# Allegro board meta_module_lay_rev1.brd (continued)
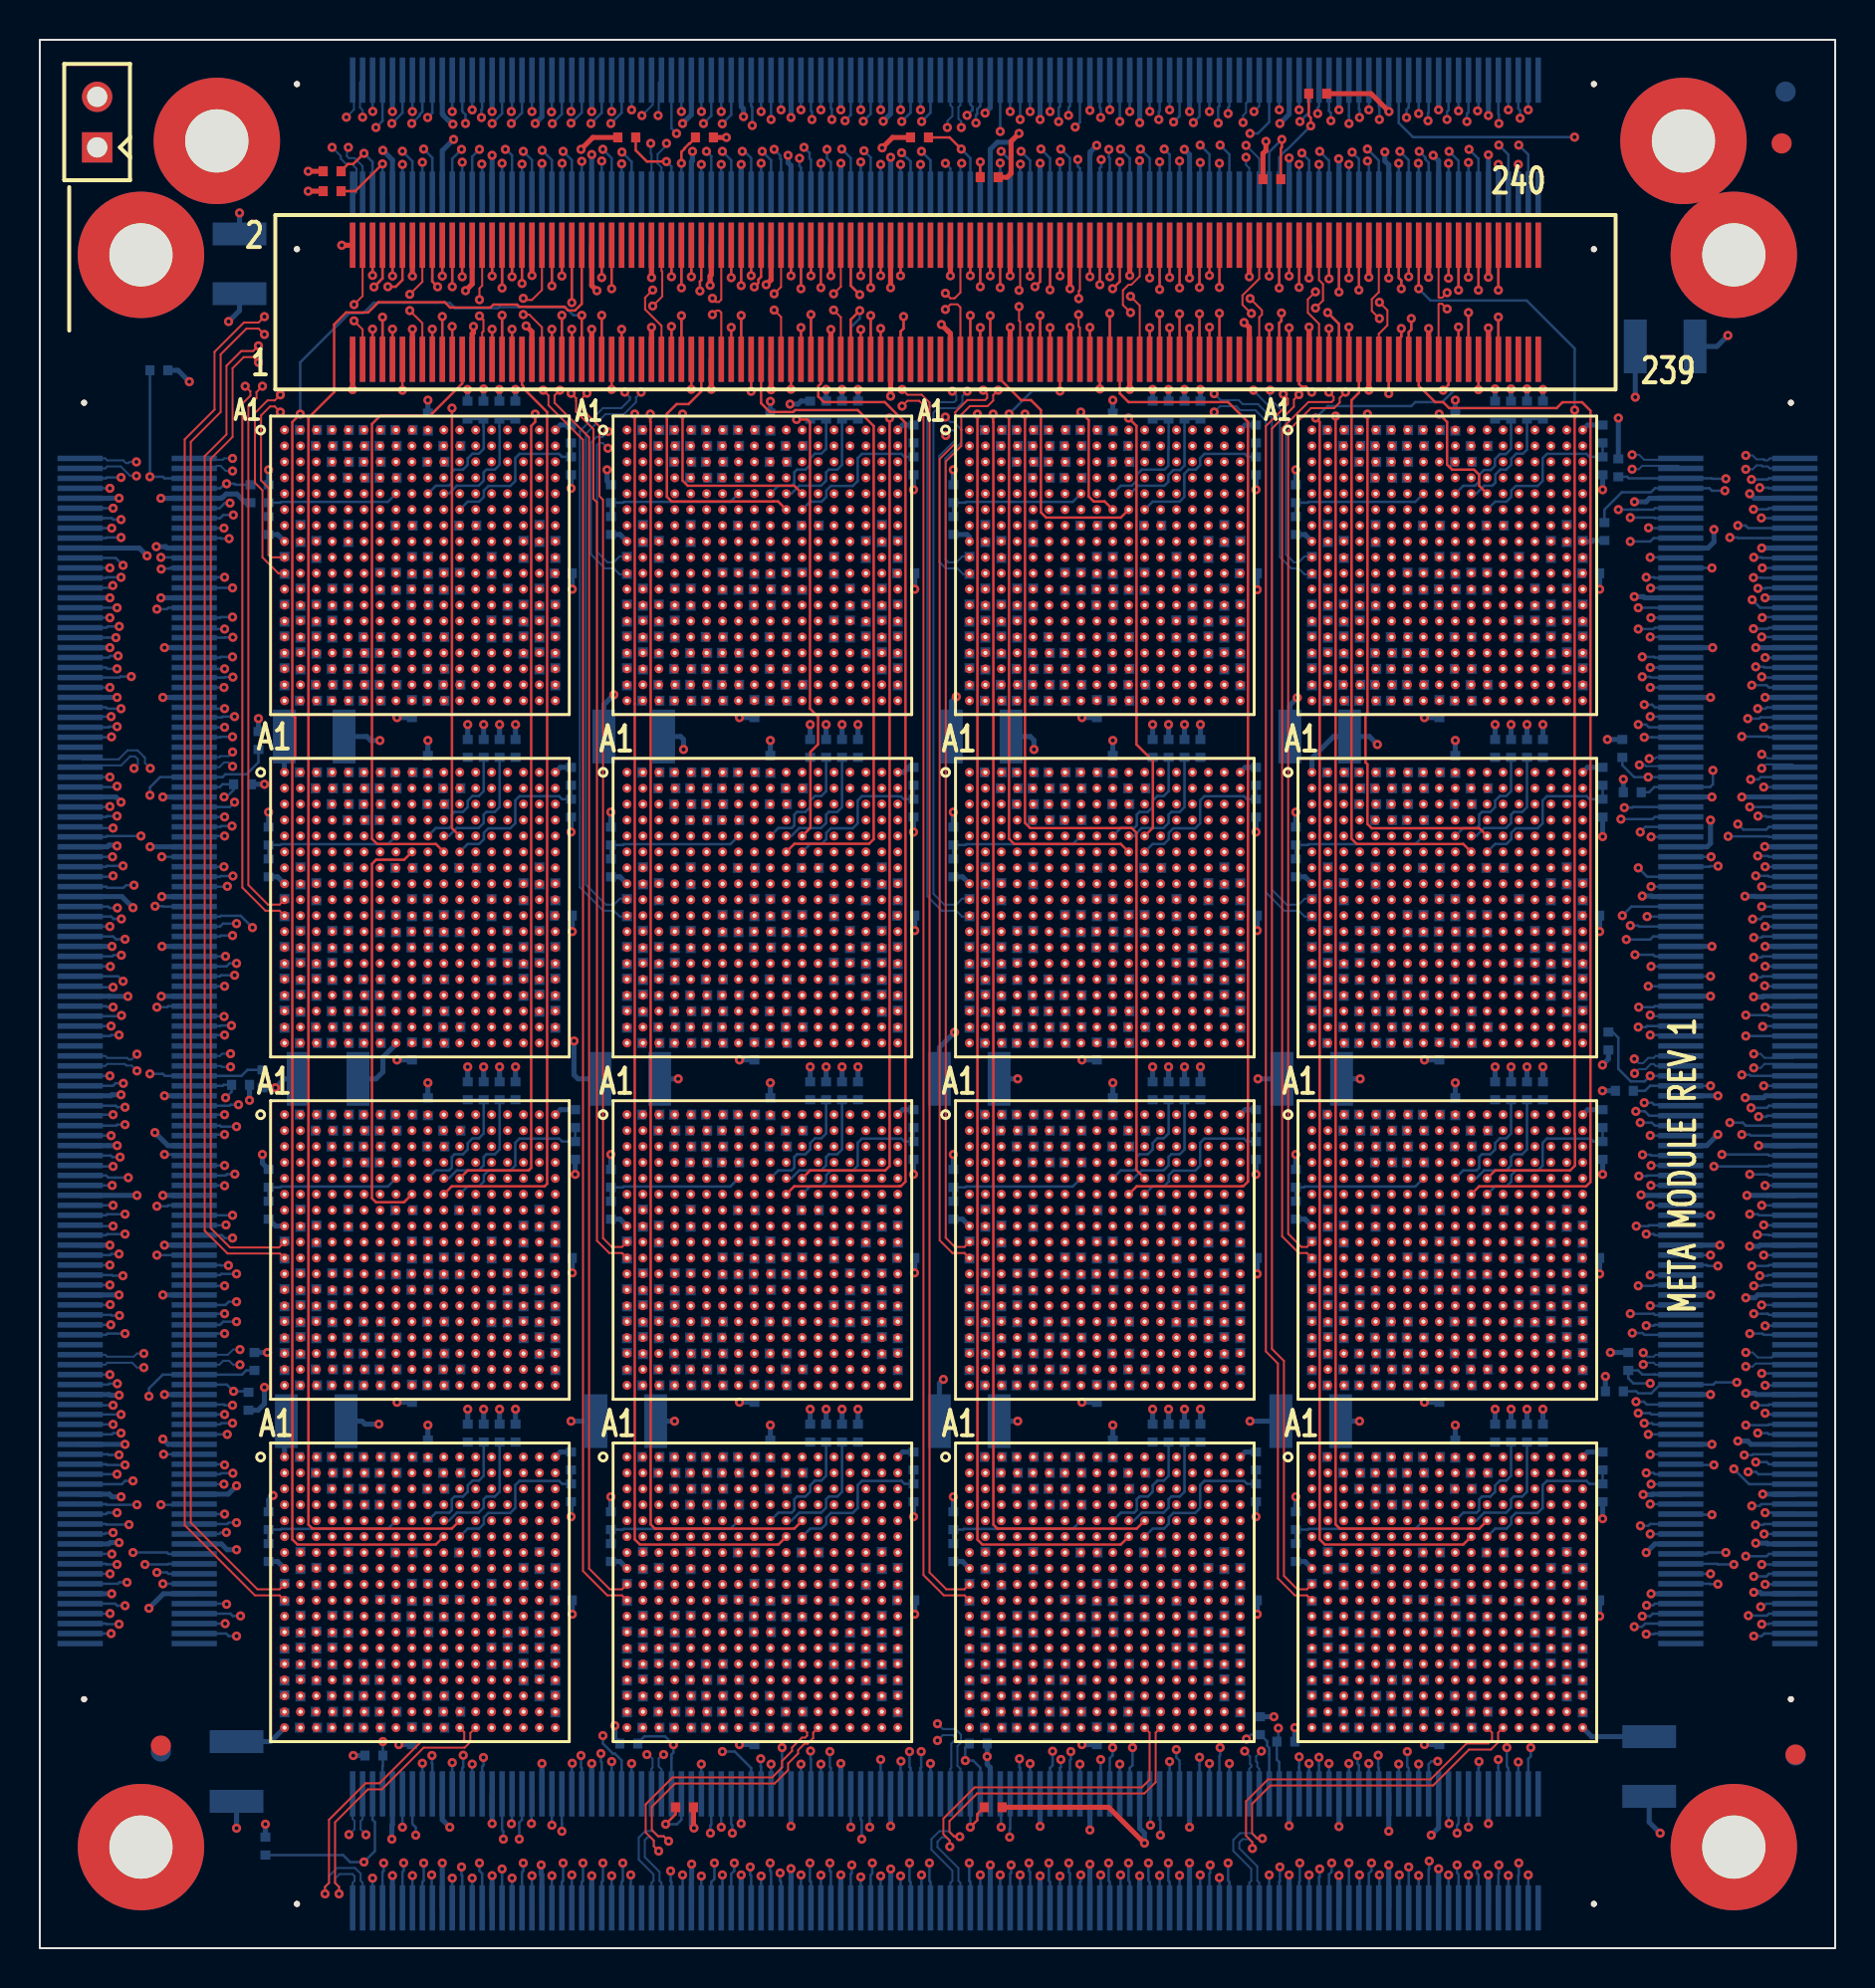
[diagram p0: board, top side]
## Routing (per net, layer and track width the routed paths; a pad name or vN(x,y) marks a point on that pad's centre or on a via; arc(x,y) is an arc through that point) (continued)
SO_DATA_OUT_N20: length 13.7
  SIGNAL_L9 w0.083: U16.R14 56.69,13.88 56.08,13.88 55.88,13.68 55.88,9.88 55.08,9.08 55.08,4.88 v1(55.68,4.28)
  BOTTOM w0.127: v1(55.68,4.28) 55.68,3.39 55.74,3.33 J5.162
SO_DATA_OUT_N21: length 12.6
  SIGNAL_L5 w0.083: U16.T15 58.28,12.29 58.28,11.75 58.53,11.5 58.86,11.5 59.08,11.28 59.08,10.41 58.91,10.24 58.91,9.85 59.18,9.58 59.18,8.78 56.68,6.28 v1(56.68,4.28)
  BOTTOM w0.127: J5.166 56.74,3.33 56.68,3.39 v1(56.68,4.28)
SO_DATA_OUT_N22: length 12
  SIGNAL_L9 w0.083: U16.U16 58.29,12.28 57.68,12.28 57.48,12.08 57.48,8.68 57.28,8.48 57.28,5.68 58.28,4.68 v1(58.28,3.68)
  BOTTOM w0.127: v1(58.28,3.68) 58.28,2.06 J5.172
SO_DATA_OUT_N23: length 9.4
  SIGNAL_L9 w0.083: U16.V17 58.89,10.48 58.89,9.87 59.24,9.52 v1(59.24,3.54)
  BOTTOM w0.127: v1(59.24,3.54) J5.176
SO_DATA_OUT_N24: length 15.6
  SIGNAL_L12 w0.083: v1(65.75,4.28) 66.48,5.01 66.48,5.28 69.68,8.48 70.08,8.48 71.48,9.88 71.48,13.59 71.74,13.85 72.32,13.85 U14.R12
  BOTTOM w0.127: v1(65.75,4.28) J5.202
SO_DATA_OUT_N25: length 13.4
  SIGNAL_L5 w0.083: v1(66.88,4.28) 68.88,6.28 68.88,6.68 73.08,10.88 73.08,12.27 U14.T13
  BOTTOM w0.127: v1(66.88,4.28) 66.88,3.89 66.75,3.76 J5.206
SO_DATA_OUT_N26: length 13.5
  SIGNAL_L12 w0.083: U14.U14 73.89,12.28 73.28,12.28 73.08,12.08 73.08,10.81 71.91,9.63 71.91,8.91 68.28,5.28 v1(68.28,3.68)
  BOTTOM w0.127: v1(68.28,3.68) 68.28,2.06 J5.212
SO_DATA_OUT_N27: length 11.9
  SIGNAL_L5 w0.083: v1(69.25,3.65) 69.25,5.65 72.08,8.48 72.81,8.48 73.88,9.55 73.88,9.68 74.67,10.47 74.67,10.66 U14.V15
  BOTTOM w0.127: v1(69.25,3.65) 69.25,2.03
SO_DATA_OUT_N28: length 14.5
  SIGNAL_L9 w0.083: U14.R14 73.89,13.88 73.27,13.88 73.07,13.68 73.07,10.77 70.28,7.98 70.28,5.28 70.75,4.81 v1(70.75,3.68)
  BOTTOM w0.127: v1(70.75,3.68) J5.222
SO_DATA_OUT_N29: length 13.2
  SIGNAL_L5 w0.083: U14.T15 75.48,12.29 75.48,11.75 75.73,11.5 76.06,11.5 76.28,11.28 76.28,8.88 71.75,4.35 v1(71.75,3.68)
  BOTTOM w0.127: v1(71.75,3.68) J5.226
SO_DATA_OUT_N30: length 12.1
  SIGNAL_L9 w0.083: U14.U16 75.49,12.28 74.88,12.28 74.68,12.08 74.68,10.48 73.68,9.48 73.68,4.58 v1(73.28,4.18)
  BOTTOM w0.127: J5.232 73.25,3.71 73.28,3.74 v1(73.28,4.18)
SO_DATA_OUT_N31: length 10.1
  SIGNAL_L9 w0.083: U14.V17 76.69,6.69 v1(74.28,4.28)
  BOTTOM w0.127: J5.236 74.26,3.66 74.28,3.69 v1(74.28,4.28)
SO_DATA_OUT_P0: length 12.3
  SIGNAL_L12 w0.083: v1(21.18,4.08) 21.18,4.45 20.13,5.5 20.13,6.53 20.28,6.68 20.28,10.28 20.68,10.68 20.68,13.09 U12.R11
  BOTTOM w0.127: v1(21.18,4.08) 21.18,3.69 21.22,3.65 J5.24
SO_DATA_OUT_P1: length 12.8
  SIGNAL_L5 w0.083: U12.T12 21.49,13.08 22.08,13.08 22.28,12.88 22.28,10.23 22.68,9.83 22.68,8.68 22.08,8.08 v1(22.08,4.28)
  BOTTOM w0.127: J5.28 22.22,3.75 22.08,3.89 v1(22.08,4.28)
SO_DATA_OUT_P2: length 10.6
  SIGNAL_L12 w0.083: v1(23.72,3.52) 23.72,4.64 23.68,4.68 23.68,5.68 23.31,6.05 23.31,9.85 22.26,10.9 22.26,11.51 U12.U13
  BOTTOM w0.127: v1(23.72,3.52) J5.34
SO_DATA_OUT_P3: length 11.3
  SIGNAL_L5 w0.083: v1(24.72,3.64) 24.72,4.52 25.08,4.88 25.08,8.08 23.88,9.28 23.88,11.28 23.68,11.48 23.09,11.48 U12.V14
  BOTTOM w0.127: v1(24.72,3.64) J5.38
SO_DATA_OUT_P4: length 13.3
  SIGNAL_L9 w0.083: U12.R13 22.28,13.09 22.28,10.68 25.28,7.68 25.28,5.28 v1(26.28,4.28)
  BOTTOM w0.127: v1(26.28,4.28) 26.28,3.39 26.22,3.33 J5.44
SO_DATA_OUT_P5: length 14.4
  SIGNAL_L5 w0.083: U12.T14 23.09,13.08 24.43,13.08 24.71,12.8 24.71,11.72 24.93,11.5 25.26,11.5 25.51,11.25 25.51,9.85 27.28,8.08 v1(27.28,4.28)
  BOTTOM w0.127: J5.48 27.22,3.33 27.28,3.39 v1(27.28,4.28)
SO_DATA_OUT_P6: length 12
  SIGNAL_L9 w0.083: U12.U15 23.88,11.49 23.88,10.03 28.72,5.19 v1(28.72,3.64)
  BOTTOM w0.127: v1(28.72,3.64) J5.54
SO_DATA_OUT_P7: length 12.4
  SIGNAL_L9 w0.083: U12.V16 24.68,11.47 25.29,11.47 25.48,11.28 25.48,9.93 29.68,5.73 v1(29.68,3.68)
  BOTTOM w0.127: J5.58 29.68,2.07 v1(29.68,3.68)
SO_DATA_OUT_P8: length 12.3
  SIGNAL_L12 w0.083: U10.R11 37.86,13.11 37.86,10.93 37.78,10.85 37.78,8.98 36.23,7.43 v1(36.23,3.63)
  BOTTOM w0.127: v1(36.23,3.63) J5.84
SO_DATA_OUT_P9: length 13.5
  SIGNAL_L5 w0.083: v1(37.18,3.78) 37.18,8.38 37.28,8.48 37.28,9.03 38.73,10.48 39.08,10.48 39.48,10.88 39.48,12.88 39.28,13.08 38.69,13.08 U10.T12
  BOTTOM w0.127: v1(37.18,3.78) 37.18,3.39 37.23,3.34 J5.88
SO_DATA_OUT_P10: length 10.9
  SIGNAL_L12 w0.083: U10.U13 39.46,11.51 39.46,10.9 40.08,10.28 40.08,9.66 39.68,9.26 39.68,8.48 38.68,7.48 v1(38.68,4.28)
  BOTTOM w0.127: v1(38.68,4.28) 38.68,3.37 38.73,3.33 J5.94
SO_DATA_OUT_P11: length 11.3
  SIGNAL_L5 w0.083: U10.V14 40.29,11.48 40.88,11.48 41.08,11.28 41.08,8.88 39.68,7.48 v1(39.68,4.28)
  BOTTOM w0.127: J5.98 39.73,3.84 39.68,3.89 v1(39.68,4.28)
SO_DATA_OUT_P12: length 12.6
  SIGNAL_L9 w0.083: v1(41.23,3.58) 41.23,4.53 40.84,4.92 40.84,5.69 40.86,5.71 40.88,5.71 41.1,5.93 41.1,6.23 41.08,6.25 41.08,9.35 39.48,10.95 39.48,13.09 U10.R13
  BOTTOM w0.127: J5.104 v1(41.23,3.58)
SO_DATA_OUT_P13: length 13.8
  SIGNAL_L5 w0.083: U10.T14 40.29,13.08 41.63,13.08 41.91,12.8 41.91,11.72 42.13,11.5 42.46,11.5 42.68,11.28 42.68,6.88 42.36,6.56 42.36,4.96 42.23,4.83 v1(42.23,3.63)
  BOTTOM w0.127: v1(42.23,3.63) 42.23,2.03
SO_DATA_OUT_P14: length 11.1
  SIGNAL_L9 w0.083: v1(43.68,4.28) 43.68,7.38 41.08,9.98 41.08,11.49 U10.U15
  BOTTOM w0.127: J5.114 43.73,3.33 43.68,3.38 v1(43.68,4.28)
SO_DATA_OUT_P15: length 12.9
  SIGNAL_L9 w0.083: U10.V16 41.88,11.47 43.39,11.47 45.68,9.18 45.68,6.18 44.68,5.18 v1(44.68,4.28)
  BOTTOM w0.127: v1(44.68,4.28) 44.68,3.38 44.73,3.33 J5.118
SO_DATA_OUT_P16: length 13.2
  SIGNAL_L12 w0.083: U16.R11 55.08,13.09 55.08,10.88 54.28,10.08 54.28,9.88 51.24,6.84 v1(51.24,3.62)
  BOTTOM w0.127: v1(51.24,3.62) J5.144
SO_DATA_OUT_P17: length 14.2
  SIGNAL_L5 w0.083: U16.T12 55.89,13.08 56.57,13.08 56.68,12.97 56.68,10.48 52.28,6.08 v1(52.28,3.68)
  BOTTOM w0.127: v1(52.28,3.68) 52.28,3.37 52.24,3.33 J5.148
SO_DATA_OUT_P18: length 11.3
  SIGNAL_L12 w0.083: v1(53.68,4.28) 53.68,7.08 56.66,10.06 56.66,11.51 U16.U13
  BOTTOM w0.127: v1(53.68,4.28) 53.68,3.38 53.74,3.33 J5.154
SO_DATA_OUT_P19: length 12.2
  SIGNAL_L5 w0.083: v1(54.68,4.28) 54.68,6.08 57.88,9.28 57.88,9.43 57.87,9.44 57.87,9.75 57.88,9.75 57.88,10.23 58.28,10.63 58.28,11.28 58.08,11.48 57.49,11.48 U16.V14
  BOTTOM w0.127: v1(54.68,4.28) 54.68,3.39 54.74,3.33 J5.158
SO_DATA_OUT_P20: length 12.3
  SIGNAL_L9 w0.083: U16.R13 56.68,13.09 56.68,10.68 56.29,10.29 56.29,7.87 56.88,7.28 56.88,5.48 56.24,4.84 v1(56.24,3.65)
  BOTTOM w0.127: v1(56.24,3.65) J5.164
SO_DATA_OUT_P21: length 14.9
  SIGNAL_L5 w0.083: v1(57.24,3.65) 57.24,6.11 60.12,8.98 60.12,9.65 59.87,9.89 59.87,11.29 59.66,11.5 59.33,11.5 59.11,11.72 59.11,12.8 58.83,13.08 57.49,13.08 U16.T14
  BOTTOM w0.127: v1(57.24,3.65) J5.168
SO_DATA_OUT_P22: length 10.6
  SIGNAL_L9 w0.083: v1(58.78,4.18) 58.78,6.38 57.88,7.28 57.88,9.43 57.87,9.44 57.87,9.75 57.88,9.75 57.88,10.55 58.27,10.94 58.27,11.5 U16.U15
  BOTTOM w0.127: v1(58.78,4.18) 58.78,3.79 58.74,3.75 J5.174
SO_DATA_OUT_P23: length 11.1
  SIGNAL_L9 w0.083: v1(59.68,4.28) 60.28,4.88 60.28,9.48 59.87,9.89 59.87,11.29 59.69,11.47 59.08,11.47 U16.V16
  BOTTOM w0.127: J5.178 59.74,3.33 59.68,3.39 v1(59.68,4.28)
SO_DATA_OUT_P24: length 14.5
  SIGNAL_L12 w0.083: v1(66.28,3.68) 66.28,4.28 66.88,4.88 67.48,4.88 71.48,8.88 71.48,9.48 72.28,10.28 72.28,13.09 U14.R11
  BOTTOM w0.127: v1(66.28,3.68) 66.28,2.06 J5.204
SO_DATA_OUT_P25: length 15.4
  SIGNAL_L5 w0.083: U14.T12 73.09,13.08 73.68,13.08 73.88,12.88 73.88,10.95 72.88,9.95 72.88,9.38 72.38,8.88 71.82,8.88 67.28,4.34 v1(67.28,3.68)
  BOTTOM w0.127: J5.208 67.28,2.06 v1(67.28,3.68)
SO_DATA_OUT_P26: length 12.1
  SIGNAL_L12 w0.083: U14.U13 73.86,11.51 73.86,10.79 72.78,9.71 72.78,9.18 68.75,5.15 v1(68.75,4.08)
  BOTTOM w0.127: v1(68.75,4.08) J5.214
SO_DATA_OUT_P27: length 14.2
  SIGNAL_L5 w0.083: U14.V14 74.69,11.48 75.28,11.48 75.48,11.28 75.48,10.58 75.68,10.38 75.68,8.68 73.13,6.13 73.13,6.11 72.91,5.89 72.89,5.89 71.88,4.88 70.28,4.88 v1(69.78,4.38)
  BOTTOM w0.127: J5.218 69.75,3.96 69.78,3.99 v1(69.78,4.38)
SO_DATA_OUT_P28: length 12.8
  SIGNAL_L9 w0.083: v1(71.18,4.18) 72.28,5.28 72.28,7.38 72.88,7.98 72.88,9.88 73.88,10.88 73.88,13.09 U14.R13
  BOTTOM w0.127: v1(71.18,4.18) 71.18,3.79 71.25,3.71 J5.224
SO_DATA_OUT_P29: length 15.4
  SIGNAL_L5 w0.083: v1(72.18,4.18) 77.11,9.11 77.11,11.25 76.86,11.5 76.53,11.5 76.31,11.72 76.31,12.08 76.08,12.31 75.74,12.31 75.52,12.53 75.52,12.87 75.31,13.08 74.69,13.08 U14.T14
  BOTTOM w0.127: J5.228 72.25,3.68 72.18,3.75 v1(72.18,4.18)
SO_DATA_OUT_P30: length 10.9
  SIGNAL_L9 w0.083: v1(73.75,3.66) 73.75,4.36 75.63,6.23 75.63,10.43 75.48,10.58 75.48,11.49 U14.U15
  BOTTOM w0.127: v1(73.75,3.66) J5.234
SO_DATA_OUT_P31: length 11.6
  SIGNAL_L9 w0.083: U14.V16 76.28,11.47 76.89,11.47 77.08,11.28 77.08,6.68 74.75,4.35 v1(74.75,3.68)
  BOTTOM w0.127: v1(74.75,3.68) J5.238
SO_FRAME_IN_N0: length 20.8
  SIGNAL_L12 w0.083: U12.U8 17.52,12.25 16.94,12.25 16.68,11.99 16.68,11.68 16.45,11.45 16.14,11.45 15.88,11.19 15.88,10.88 14.08,9.08 14.08,5.38 14.87,4.59 15.16,4.59 16.02,4.59 v1(16.28,4.33)
  BOTTOM w0.127: J5.5 16.71,6.45 16.83,6.33 16.83,4.88 v1(16.28,4.33) 15.58,4.33 15.23,4.68 R1009.1
SO_FRAME_IN_N1: length 9.7
  SIGNAL_L12 w0.083: v1(31.82,10.22) 32.28,10.68 32.28,12.08 32.45,12.25 34.72,12.25 U10.U8
  BOTTOM w0.127: J5.65 31.72,9.57 31.72,9.73 31.82,9.83 v1(31.82,10.22) 31.4,10.65 30.38,10.65 30.03,10.3 R1010.1
SO_FRAME_IN_N2: length 17.4
  TOP w0.127: v1(46.73,6.08) 47.08,6.43 47.08,6.73 R1011.1
  SIGNAL_L12 w0.083: U16.U8 51.89,12.28 46.28,12.28 45.75,11.75 44.85,11.75 44.63,11.53 44.63,10.18 45.78,9.03 45.78,7.03 v1(46.73,6.08)
  BOTTOM w0.127: v1(46.73,6.08) 46.73,6.08 J5.125
SO_FRAME_IN_N3: length 13.9
  SIGNAL_L12 w0.083: U14.U8 69.12,12.25 62.05,12.25 60.87,11.07 60.87,10.77 v1(60.6,10.51)
  BOTTOM w0.127: J5.185 61.75,9.74 61.75,10.07 61.65,10.16 61.65,10.38 61.3,10.73 R1012.1 60.83,10.73 60.61,10.51 v1(60.6,10.51)
SO_FRAME_IN_P0: length 4.4
  SIGNAL_L12 w0.083: v1(17.23,10.38) 17.49,10.64 17.49,10.65 17.47,10.67 17.47,11.5 U12.U7
  BOTTOM w0.127: v1(17.23,10.38) R1013.2 17.23,9.17 17.21,9.15 J5.7
SO_FRAME_IN_P1: length 11.5
  TOP w0.127: v1(31.43,6.23) 31.93,6.73 R1014.2
  SIGNAL_L12 w0.083: U10.U7 34.72,11.45 34.72,9.72 34.51,9.51 33.8,9.51 33.63,9.68 33.03,9.68 31.43,8.08 v1(31.43,6.23)
  BOTTOM w0.127: J5.67 32.22,6.45 32,6.23 v1(31.43,6.23)
SO_FRAME_IN_P2: length 11.3
  SIGNAL_L12 w0.083: U16.U7 51.88,11.49 51.88,10.95 51.86,10.93 51.64,10.71 51.4,10.46 50.66,10.46 50.64,10.45 50.64,10.45 50.31,10.12 50.31,9.17 50.02,8.88 47.98,8.88 47.8,9.06 47.58,9.06 47.21,9.43 v1(46.48,9.43)
  BOTTOM w0.127: R1015.2 46.48,10.08 v1(46.48,9.43) 46.87,9.43 47.23,9.07 J5.127
SO_FRAME_IN_P3: length 10.2
  SIGNAL_L12 w0.083: v1(62.2,11.06) 62.63,11.48 68.29,11.48 U14.U7
  BOTTOM w0.127: J5.187 62.25,9.35 62.13,9.47 R1016.2 62.2,10.46 v1(62.2,11.06)
SO_FRAME_OUT_N0: length 14.6
  SIGNAL_L9 w0.083: v1(16.71,3.52) 16.71,3.89 16.75,3.93 16.75,9.72 16.58,9.9 16.58,10.41 16.71,10.54 16.71,12.91 16.9,13.1 17.25,13.1 17.47,13.32 17.47,13.67 17.68,13.88 19.09,13.88 U12.R10
  BOTTOM w0.127: v1(16.71,3.52) J5.6
SO_FRAME_OUT_N1: length 15.4
  SIGNAL_L9 w0.083: v1(31.68,3.88) 31.68,4.38 32.08,4.78 32.08,8.88 33.88,10.68 33.88,12.88 34.06,13.06 34.46,13.06 34.67,13.27 34.67,13.67 34.88,13.88 36.29,13.88 U10.R10
  BOTTOM w0.127: J5.66 31.72,3.33 31.68,3.37 v1(31.68,3.88)
SO_FRAME_OUT_N2: length 18.9
  SIGNAL_L9 w0.083: U16.R10 53.49,13.88 47.28,13.88 47.1,13.7 47.1,4.7 v1(46.68,4.28)
  BOTTOM w0.127: J5.126 46.73,3.33 46.68,3.38 v1(46.68,4.28)
SO_FRAME_OUT_N3: length 20.3
  SIGNAL_L9 w0.083: U14.R10 70.69,13.88 63.48,13.88 62.58,12.98 62.58,8.98 62.18,8.58 62.18,5.43 61.75,5 v1(61.75,3.68)
  BOTTOM w0.127: v1(61.75,3.68) J5.186
SO_FRAME_OUT_P0: length 12.7
  SIGNAL_L9 w0.083: U12.R9 18.48,13.48 18.08,13.08 17.68,13.08 17.48,12.88 17.48,10.66 17.6,10.53 17.6,9.13 17.78,8.95 17.78,6.18 17.27,5.67 v1(17.27,4.28)
  BOTTOM w0.127: v1(17.27,4.28) 17.27,3.89 17.21,3.83 J5.8
SO_FRAME_OUT_P1: length 13.7
  SIGNAL_L9 w0.083: v1(32.28,3.68) 32.05,3.91 32.05,3.99 32.11,4.05 32.11,4.55 32.48,4.92 32.48,6.19 32.7,6.41 33.01,6.41 33.11,6.51 33.11,7.91 34.68,9.48 34.68,12.88 34.88,13.08 35.21,13.08 35.61,13.48 U10.R9
  BOTTOM w0.127: v1(32.28,3.68) 32.28,2.08 J5.68
SO_FRAME_OUT_P2: length 17.1
  SIGNAL_L9 w0.083: U16.R9 52.69,13.08 48.08,13.08 47.88,12.88 47.88,10.53 48.25,10.16 48.25,7.65 47.88,7.28 47.88,5.78 48.08,5.58 48.08,5.08 47.23,4.23 v1(47.23,3.68)
  BOTTOM w0.127: v1(47.23,3.68) J5.128
SO_FRAME_OUT_P3: length 18.8
  SIGNAL_L9 w0.083: U14.R9 69.89,13.08 63.68,13.08 63.48,12.88 63.48,10.48 62.78,9.78 62.78,6.98 63.18,6.58 63.18,5.73 62.28,4.83 v1(62.28,4.08)
  BOTTOM w0.127: v1(62.28,4.08) 62.28,3.36 62.25,3.33 J5.188
SO_LCLK_IN_N0: length 10.5
  SIGNAL_L12 w0.081: U12.V7 16.86,10.85 16.86,10.44 16.86,10.43 16.86,9.98 16.86,9.97 16.86,9.97 16.86,9.39 14.78,7.31 14.78,5.55 15.22,5.11 15.7,5.11 15.78,5.19 15.78,5.32 15.78,5.33 15.79,5.44 v1(15.53,5.71)
  BOTTOM w0.102: v1(15.53,5.71) 15.8,5.98 15.81,6.4 15.71,6.49 J5.1
SO_LCLK_IN_N1: length 7.5
  SIGNAL_L12 w0.081: v1(30.49,9.73) 30.56,9.73 30.75,9.54 30.75,9.28 31.03,9.01 31.72,9.01 32.75,10.03 33.6,10.03 34.06,10.49 34.06,10.85 U10.V7
  BOTTOM w0.102: v1(30.49,9.73) 30.56,9.73 30.78,9.52 30.78,9.07 30.72,9.02 J5.61
SO_LCLK_IN_N2: length 10.9
  SIGNAL_L12 w0.081: U16.V7 51.21,11.08 50.84,10.71 50.51,10.71 50.28,10.48 50.27,10.48 50.17,10.38 46.06,10.38 45.75,10.69 45.34,10.69 v1(45.08,10.44)
  BOTTOM w0.102: v1(45.08,10.44) 45.35,10.71 45.65,10.71 45.86,10.7 45.96,10.6 45.96,10.46 45.78,10.28 45.78,9.06 45.73,9.02 J5.121
SO_LCLK_IN_N3: length 11.9
  SIGNAL_L12 w0.081: v1(60.51,9.9) 60.77,9.65 60.77,9.4 61.04,9.12 62.39,9.12 62.81,9.54 62.81,9.73 63.43,10.35 67.75,10.35 68.48,11.08 U14.V7
  BOTTOM w0.102: v1(60.51,9.9) 60.78,9.63 60.78,9.27 60.84,9.2 60.84,9.11 60.75,9.02 J5.181
SO_LCLK_IN_P0: length 11.6
  SIGNAL_L12 w0.081: U12.V6 16.53,10.84 16.53,10.57 16.53,10.57 16.53,9.84 16.53,9.84 16.53,9.83 16.53,9.53 14.45,7.45 14.45,5.41 15.09,4.77 15.84,4.77 16.11,5.05 16.11,5.19 16.11,5.19 16.12,5.44 v1(16.38,5.7)
  BOTTOM w0.102: v1(16.38,5.7) 16.11,5.98 16.11,6.12 16.11,6.12 16.11,6.39 16.21,6.49 J5.3
SO_LCLK_IN_P1: length 6.4
  SIGNAL_L12 w0.081: U10.V6 33.73,10.84 33.73,10.62 33.46,10.36 32.61,10.36 31.59,9.34 31.16,9.34 31.08,9.42 31.08,9.53 31.28,9.73 v1(31.33,9.73)
  BOTTOM w0.102: v1(31.33,9.73) 31.28,9.73 31.08,9.53 31.08,9.13 31.22,8.99 J5.63
SO_LCLK_IN_P2: length 10.5
  SIGNAL_L12 w0.081: U16.V6 50.41,11.08 50.14,10.81 50.14,10.81 50.04,10.71 46.2,10.71 45.89,11.02 45.34,11.02 v1(45.08,11.28)
  BOTTOM w0.102: v1(45.08,11.28) 45.35,11.01 45.78,11.01 45.98,11.01 46.26,10.73 46.26,10.33 46.08,10.15 46.08,9.16 46.23,9.02 J5.123
SO_LCLK_IN_P3: length 10.5
  SIGNAL_L12 w0.081: v1(61.35,9.9) 61.1,9.65 61.1,9.53 61.18,9.45 62.25,9.45 62.48,9.68 62.48,9.87 62.48,9.88 63.28,10.68 67.61,10.68 67.89,10.96 U14.V6
  BOTTOM w0.102: J5.183 61.24,9.02 61.15,9.11 61.15,9.33 61.08,9.39 61.08,9.63 v1(61.35,9.9)
SO_LCLK_OUT_N0: length 16.6
  TOP w0.102: U12.V13 21.62,10.81 21.62,10.36 21.34,10.08 19.28,10.08 17.18,7.98 16.48,7.98 14.83,6.33 14.83,3.28 15.03,3.08 v1(15.03,2.73)
  BOTTOM w0.102: J5.2 15.71,3.29 15.81,3.39 15.81,3.62 15.7,3.73 15.06,3.73 14.83,3.5 14.83,3.28 15.03,3.08 v1(15.03,2.73)
SO_LCLK_OUT_N1: length 18.4
  TOP w0.102: v1(31.58,5.38) 31.34,5.62 31.05,5.62 30.73,5.94 30.73,7.1 31.91,8.28 36.91,8.28 37.58,8.95 37.58,9.28 38.08,9.78 38.08,9.95 38.41,10.28 38.56,10.28 38.84,10.56 38.84,10.83 U10.V13
  BOTTOM w0.102: J5.62 30.72,3.29 30.82,3.39 30.82,3.71 30.08,4.45 30.08,5.56 30.41,5.88 30.79,5.88 31.05,5.62 31.34,5.62 v1(31.58,5.38)
SO_LCLK_OUT_N2: length 20.8
  TOP w0.102: v1(46.2,5.6) 45.94,5.6 45.91,5.63 45.68,5.86 45.68,6.38 47.08,7.78 55.48,7.78 56.04,8.34 56.04,10.83 U16.V13
  BOTTOM w0.102: v1(46.2,5.6) 45.92,5.6 45.64,5.88 45.18,5.88 44.78,5.48 44.78,4.95 45.83,3.9 45.83,3.39 45.73,3.29 J5.122
SO_LCLK_OUT_N3: length 22.1
  TOP w0.102: v1(61.4,5.51) 61.15,5.51 60.88,5.78 60.88,7.25 61.81,8.18 69.98,8.18 71.78,9.98 72.88,9.98 73.24,10.34 73.24,10.83 U14.V13
  BOTTOM w0.102: v1(61.4,5.51) 61.12,5.51 60.85,5.78 60.28,5.78 59.94,5.44 59.94,4.89 60.84,3.99 60.84,3.39 60.75,3.29 J5.182
SO_LCLK_OUT_P0: length 17.6
  TOP w0.102: U12.V12 21.31,10.86 21.31,10.49 21.21,10.38 19.15,10.38 17.05,8.28 16.35,8.28 14.52,6.45 14.52,3.28 14.32,3.08 v1(14.32,2.73)
  BOTTOM w0.102: v1(14.32,2.73) 14.32,3.08 14.53,3.28 14.53,3.63 14.93,4.03 15.83,4.03 16.11,3.75 16.11,3.39 16.21,3.29 J5.4
SO_LCLK_OUT_P1: length 17.9
  TOP w0.102: U10.V12 38.54,10.83 38.54,10.68 38.44,10.58 38.28,10.58 37.78,10.08 37.78,9.91 37.28,9.41 37.28,9.08 36.78,8.58 31.78,8.58 30.43,7.23 30.43,5.82 30.84,5.41 30.84,5.13 v1(31.08,4.88)
  BOTTOM w0.102: v1(31.08,4.88) 30.84,5.13 30.84,5.41 30.67,5.58 30.53,5.58 30.38,5.43 30.38,4.58 31.12,3.84 31.12,3.39 31.22,3.29 J5.64
SO_LCLK_OUT_P2: length 20.3
  TOP w0.102: v1(45.7,5.1) 45.7,5.41 45.38,5.73 45.38,6.51 46.95,8.08 55.35,8.08 55.74,8.47 55.74,10.83 U16.V12
  BOTTOM w0.102: v1(45.7,5.1) 45.7,5.39 45.51,5.58 45.31,5.58 45.08,5.35 45.08,5.08 46.14,4.02 46.14,3.39 46.23,3.29 J5.124
SO_LCLK_OUT_P3: length 21.6
  TOP w0.102: U14.V12 72.94,10.83 72.94,10.47 72.75,10.28 71.65,10.28 69.85,8.48 61.68,8.48 60.58,7.38 60.58,5.65 60.9,5.33 v1(60.9,5.01)
  BOTTOM w0.102: J5.184 61.24,3.29 61.15,3.39 61.15,4.11 60.25,5.01 60.25,5.31 60.41,5.48 60.72,5.48 60.9,5.3 v1(60.9,5.01)
SO_WAIT_RD_IN_N0: length 11.9
  SIGNAL_L9 w0.083: v1(19.28,4.28) 20.07,5.07 20.07,10.29 19.88,10.48 19.88,12.08 20.08,12.28 20.69,12.28 U12.U12
  BOTTOM w0.127: v1(19.28,4.28) 19.28,3.39 19.21,3.33 J5.16
SO_WAIT_RD_IN_N1: length 12.9
  SIGNAL_L9 w0.083: v1(34.28,3.68) 34.28,4.22 37.18,7.12 37.18,9.58 36.88,9.88 36.88,10.68 37.08,10.88 37.08,12.08 37.28,12.28 37.89,12.28 U10.U12
  BOTTOM w0.127: v1(34.28,3.68) 34.28,2.08 J5.76
SO_WAIT_RD_IN_N2: length 15.1
  SIGNAL_L9 w0.083: v1(49.24,3.68) 49.24,4.64 49.68,5.08 49.68,6.38 50.38,7.08 50.38,9.98 51.08,10.68 52.48,10.68 52.68,10.88 52.68,11.28 52.88,11.48 54.03,11.48 54.27,11.72 54.27,12.07 54.48,12.28 55.09,12.28 U16.U12
  BOTTOM w0.127: v1(49.24,3.68) J5.136
SO_WAIT_RD_IN_N3: length 15.7
  SIGNAL_L9 w0.083: v1(64.28,3.98) 64.28,4.55 67.68,7.95 67.68,9.68 68.68,10.68 69.61,10.68 69.63,10.7 69.65,10.7 69.87,10.92 69.87,10.94 69.88,10.95 69.88,11.28 70.08,11.48 71.21,11.48 71.48,11.75 71.48,12.08 71.68,12.28 72.29,12.28 U14.U12
  BOTTOM w0.127: J5.196 64.25,3.55 64.28,3.59 v1(64.28,3.98)
SO_WAIT_RD_IN_P0: length 11
  SIGNAL_L9 w0.083: v1(19.68,3.68) 19.68,4.28 20.96,5.56 20.96,7.8 20.28,8.48 20.28,10.28 20.68,10.68 20.68,11.49 U12.U11
  BOTTOM w0.127: v1(19.68,3.68) 19.68,2.06 J5.18
SO_WAIT_RD_IN_P1: length 11.3
  SIGNAL_L9 w0.083: U10.U11 37.78,11.59 37.78,11.31 37.86,11.23 37.86,10.93 37.78,10.85 37.78,7.18 v1(34.88,4.28)
  BOTTOM w0.127: J5.78 34.73,3.73 34.88,3.89 v1(34.88,4.28)
SO_WAIT_RD_IN_P2: length 12.2
  SIGNAL_L9 w0.083: v1(49.68,4.28) 52.88,7.48 52.88,9.88 53.48,10.48 53.83,10.48 54.31,10.96 54.31,11.5 U16.U11
  BOTTOM w0.127: v1(49.68,4.28) 49.68,3.89 49.74,3.83 J5.138
SO_WAIT_RD_IN_P3: length 13.3
  SIGNAL_L9 w0.083: U14.U11 71.52,11.51 71.52,10.02 70.08,8.58 69.18,8.58 v1(64.88,4.28)
  BOTTOM w0.127: v1(64.88,4.28) 64.88,3.84 64.75,3.71 J5.198
SO_WAIT_RD_OUT_N0: length 4.4
  SIGNAL_L5 w0.083: v1(19.21,9.29) 19.21,9.85 19.08,9.98 19.08,11.47 U12.U10
  BOTTOM w0.127: v1(19.21,9.29) J5.15
SO_WAIT_RD_OUT_N1: length 9
  SIGNAL_L5 w0.083: v1(34.22,6.08) 34.22,8.82 34.68,9.28 34.68,10.32 34.98,10.62 35.22,10.62 35.51,10.91 35.51,11.24 35.77,11.5 36.31,11.5 U10.U10
  BOTTOM w0.127: J5.75 v1(34.22,6.08)
SO_WAIT_RD_OUT_N2: length 9.1
  SIGNAL_L5 w0.083: U16.U10 53.49,12.28 49.68,12.28 49.48,12.08 49.48,10.48 49.2,10.2 v1(49.2,9.52)
  BOTTOM w0.127: J5.135 49.24,9.05 49.2,9.09 v1(49.2,9.52)
SO_WAIT_RD_OUT_N3: length 11.3
  SIGNAL_L5 w0.083: v1(64.25,9.59) 64.25,10.92 64.26,10.93 64.26,11.97 64.57,12.28 70.69,12.28 U14.U10
  BOTTOM w0.127: J5.195 64.25,9.2 64.25,9.2 v1(64.25,9.59)
SO_WAIT_RD_OUT_P0: length 5.8
  SIGNAL_L5 w0.083: U12.U9 19.09,12.28 19.68,12.28 19.88,12.08 19.88,10.27 19.7,10.08 v1(19.7,9.68)
  BOTTOM w0.127: J5.17 19.71,9.27 19.7,9.29 v1(19.7,9.68)
SO_WAIT_RD_OUT_P1: length 10.8
  SIGNAL_L5 w0.083: U10.U9 36.29,12.28 36.88,12.28 37.08,12.08 37.08,11.18 37.06,11.16 37.06,10.93 36.84,10.71 36.61,10.71 34.78,8.88 v1(34.78,5.78)
  BOTTOM w0.127: J5.77 34.73,6.23 34.78,6.17 v1(34.78,5.78)
SO_WAIT_RD_OUT_P2: length 6.8
  SIGNAL_L5 w0.083: U16.U9 52.66,11.45 50.54,11.45 50.28,11.19 50.28,9.82 v1(49.74,9.27)
  BOTTOM w0.127: v1(49.74,9.27) J5.137
SO_WAIT_RD_OUT_P3: length 9.1
  SIGNAL_L5 w0.083: U14.U9 69.89,11.48 65.37,11.48 65.06,11.17 65.06,10.36 64.75,10.05 v1(64.75,9.28)
  BOTTOM w0.127: v1(64.75,9.28) J5.197
SO_WAIT_WR_IN_N0: length 13.4
  SIGNAL_L9 w0.083: U12.T11 19.89,13.08 18.48,13.08 18.28,12.88 18.28,10.5 18.43,10.35 18.43,8.23 18.63,8.03 18.63,5.97 18.27,5.62 v1(18.27,4.29)
  BOTTOM w0.127: J5.12 18.21,3.83 18.27,3.89 v1(18.27,4.29)
SO_WAIT_WR_IN_N1: length 14.2
  SIGNAL_L9 w0.083: U10.T11 37.09,13.08 35.68,13.08 35.48,12.88 35.48,10.68 35.68,10.48 35.68,10.08 33.68,8.08 33.68,6.48 33.22,6.02 v1(33.22,3.62)
  BOTTOM w0.127: v1(33.22,3.62) J5.72
SO_WAIT_WR_IN_N2: length 17.4
  SIGNAL_L9 w0.083: v1(48.24,3.68) 48.24,4.44 49.08,5.28 49.08,6.58 48.58,7.08 48.58,10.18 48.68,10.28 48.68,12.08 48.88,12.28 52.43,12.28 52.71,12.56 52.71,12.84 52.95,13.08 54.29,13.08 U16.T11
  BOTTOM w0.127: J5.132 v1(48.24,3.68)
SO_WAIT_WR_IN_N3: length 18.3
  SIGNAL_L9 w0.083: v1(63.28,4.28) 63.28,5.33 65.12,7.17 65.12,12.03 65.15,12.05 65.15,12.06 65.37,12.28 69.61,12.28 69.63,12.3 69.65,12.3 69.87,12.52 69.87,12.78 70.17,13.08 71.49,13.08 U14.T11
  BOTTOM w0.127: J5.192 63.25,3.33 63.28,3.36 v1(63.28,4.28)
SO_WAIT_WR_IN_P0: length 11.4
  SIGNAL_L9 w0.083: v1(18.71,3.65) 18.71,4.46 19.25,5 19.25,8.31 18.68,8.88 18.68,10.08 19.08,10.48 19.08,12.27 U12.T10
  BOTTOM w0.127: v1(18.71,3.65) J5.14
SO_WAIT_WR_IN_P1: length 12
  SIGNAL_L9 w0.083: U10.T10 36.28,12.27 36.28,10.23 35.69,9.64 35.69,5.89 34.78,4.98 34.58,4.98 v1(33.88,4.28)
  BOTTOM w0.127: v1(33.88,4.28) 33.88,3.48 33.72,3.33 J5.74
SO_WAIT_WR_IN_P2: length 15.3
  SIGNAL_L9 w0.083: v1(48.78,4.18) 48.78,4.55 49.48,5.25 49.48,8.28 48.78,8.98 48.78,9.91 49.48,10.61 49.48,11.28 49.68,11.48 52.48,11.48 52.71,11.71 52.71,12.04 52.93,12.26 53.47,12.26 U16.T10
  BOTTOM w0.127: J5.134 48.73,3.74 48.78,3.79 v1(48.78,4.18)
SO_WAIT_WR_IN_P3: length 16.1
  SIGNAL_L9 w0.083: v1(63.75,3.68) 63.75,5.3 65.36,6.91 65.36,9.96 65.88,10.48 65.88,11.19 65.91,11.22 65.91,11.24 66.13,11.46 66.15,11.46 66.17,11.48 69.61,11.48 69.63,11.5 69.65,11.5 69.91,11.76 69.91,12.04 70.13,12.26 70.67,12.26 U14.T10
  BOTTOM w0.127: v1(63.75,3.68) J5.194
SO_WAIT_WR_OUT_N0: length 8.5
  SIGNAL_L12 w0.083: U12.T9 18.32,12.31 18.32,10.74 18.4,10.66 18.4,8.8 18.21,8.61 v1(18.21,6.08)
  BOTTOM w0.127: v1(18.21,6.08) J5.11
SO_WAIT_WR_OUT_N1: length 7
  SIGNAL_L12 w0.083: v1(33.22,9.25) 34.9,9.25 35.51,9.86 35.51,12.3 U10.T9
  BOTTOM w0.127: v1(33.22,9.25) J5.71
SO_WAIT_WR_OUT_N2: length 11
  SIGNAL_L12 w0.083: U16.T9 52.71,12.3 52.71,10.98 52.41,10.68 52.08,10.68 51.68,10.28 50.72,10.28 50.49,10.05 50.49,9.09 48.28,6.88 v1(48.28,6.08)
  BOTTOM w0.127: v1(48.28,6.08) 48.28,7.71 J5.131
SO_WAIT_WR_OUT_N3: length 10.7
  SIGNAL_L12 w0.083: v1(63.25,9.61) 63.72,10.08 68.28,10.08 69.08,10.88 69.08,11.19 69.34,11.45 69.68,11.45 69.91,11.68 69.91,12.3 U14.T9
  BOTTOM w0.127: J5.191 63.25,9.08 63.25,9.08 v1(63.25,9.61)
SO_WAIT_WR_OUT_P0: length 11.1
  SIGNAL_L12 w0.083: v1(18.88,5.68) 18.62,5.94 18.62,10.22 19.08,10.68 19.08,12.88 18.88,13.08 18.29,13.08 U12.T8
  BOTTOM w0.127: J5.13 18.71,6.24 18.88,6.07 v1(18.88,5.68)
SO_WAIT_WR_OUT_P1: length 11.6
  SIGNAL_L12 w0.083: v1(33.68,5.78) 33.68,7.68 36.28,10.28 36.28,12.88 36.08,13.08 35.49,13.08 U10.T8
  BOTTOM w0.127: v1(33.68,5.78) 33.68,6.17 33.72,6.22 J5.73
SO_WAIT_WR_OUT_P2: length 13.1
  SIGNAL_L12 w0.083: U16.T8 52.69,13.08 53.28,13.08 53.48,12.88 53.48,10.68 52.58,9.78 52.24,9.78 48.71,6.24 v1(48.71,5.58)
  BOTTOM w0.127: J5.133 48.73,6 48.71,5.97 v1(48.71,5.58)
SO_WAIT_WR_OUT_P3: length 13.8
  SIGNAL_L12 w0.083: U14.T8 69.89,13.08 70.48,13.08 70.72,12.84 70.72,9.38 70.22,8.88 64.15,8.88 v1(63.75,9.28)
  BOTTOM w0.127: v1(63.75,9.28) J5.193
WE_DATA_IN_N0: length 11.8
  SIGNAL_L12 w0.083: v1(6.08,69.88) 5.58,69.38 5.58,68.88 9.21,65.25 9.83,65.25 11.61,63.48 U3.U1
  BOTTOM w0.127: v1(6.08,69.88) 7.72,69.88 J6.21
WE_DATA_IN_N1: length 8
  SIGNAL_L12 w0.083: v1(9.28,68.88) 9.28,67.81 10.88,66.21 10.88,65.97 12.2,64.65 12.72,64.65 U3.T2
  BOTTOM w0.127: v1(9.28,68.88) 7.79,68.88 J6.25
WE_DATA_IN_N2: length 10.8
  SIGNAL_L6 w0.083: v1(5.88,67.28) 7.67,65.49 13.48,65.49 U3.R3
  BOTTOM w0.127: v1(5.88,67.28) 6.39,67.28 6.45,67.35 J6.31
WE_DATA_IN_N3: length 8.9
  SIGNAL_L9 w0.083: U3.P4 14.69,66.09 15.08,66.48 15.08,66.88 14.88,67.08 11.48,67.08 10.68,66.28 v1(9.28,66.28)
  BOTTOM w0.127: v1(9.28,66.28) 7.82,66.28 J6.35
